# Altium PCB DI543.PcbDoc (part 8 of 8)
Units mil, origin at the board's own origin, x right, y up, seen from the top; angles counter-clockwise.
Board outline 8666.42 x 9192.01 mil, 4 copper layers (Top Layer, Mid-Layer 1, Mid-Layer 2, Bottom Layer), stack 35.6 mil thick; 694 components, 500 nets, 2441 pads, 1661 vias.
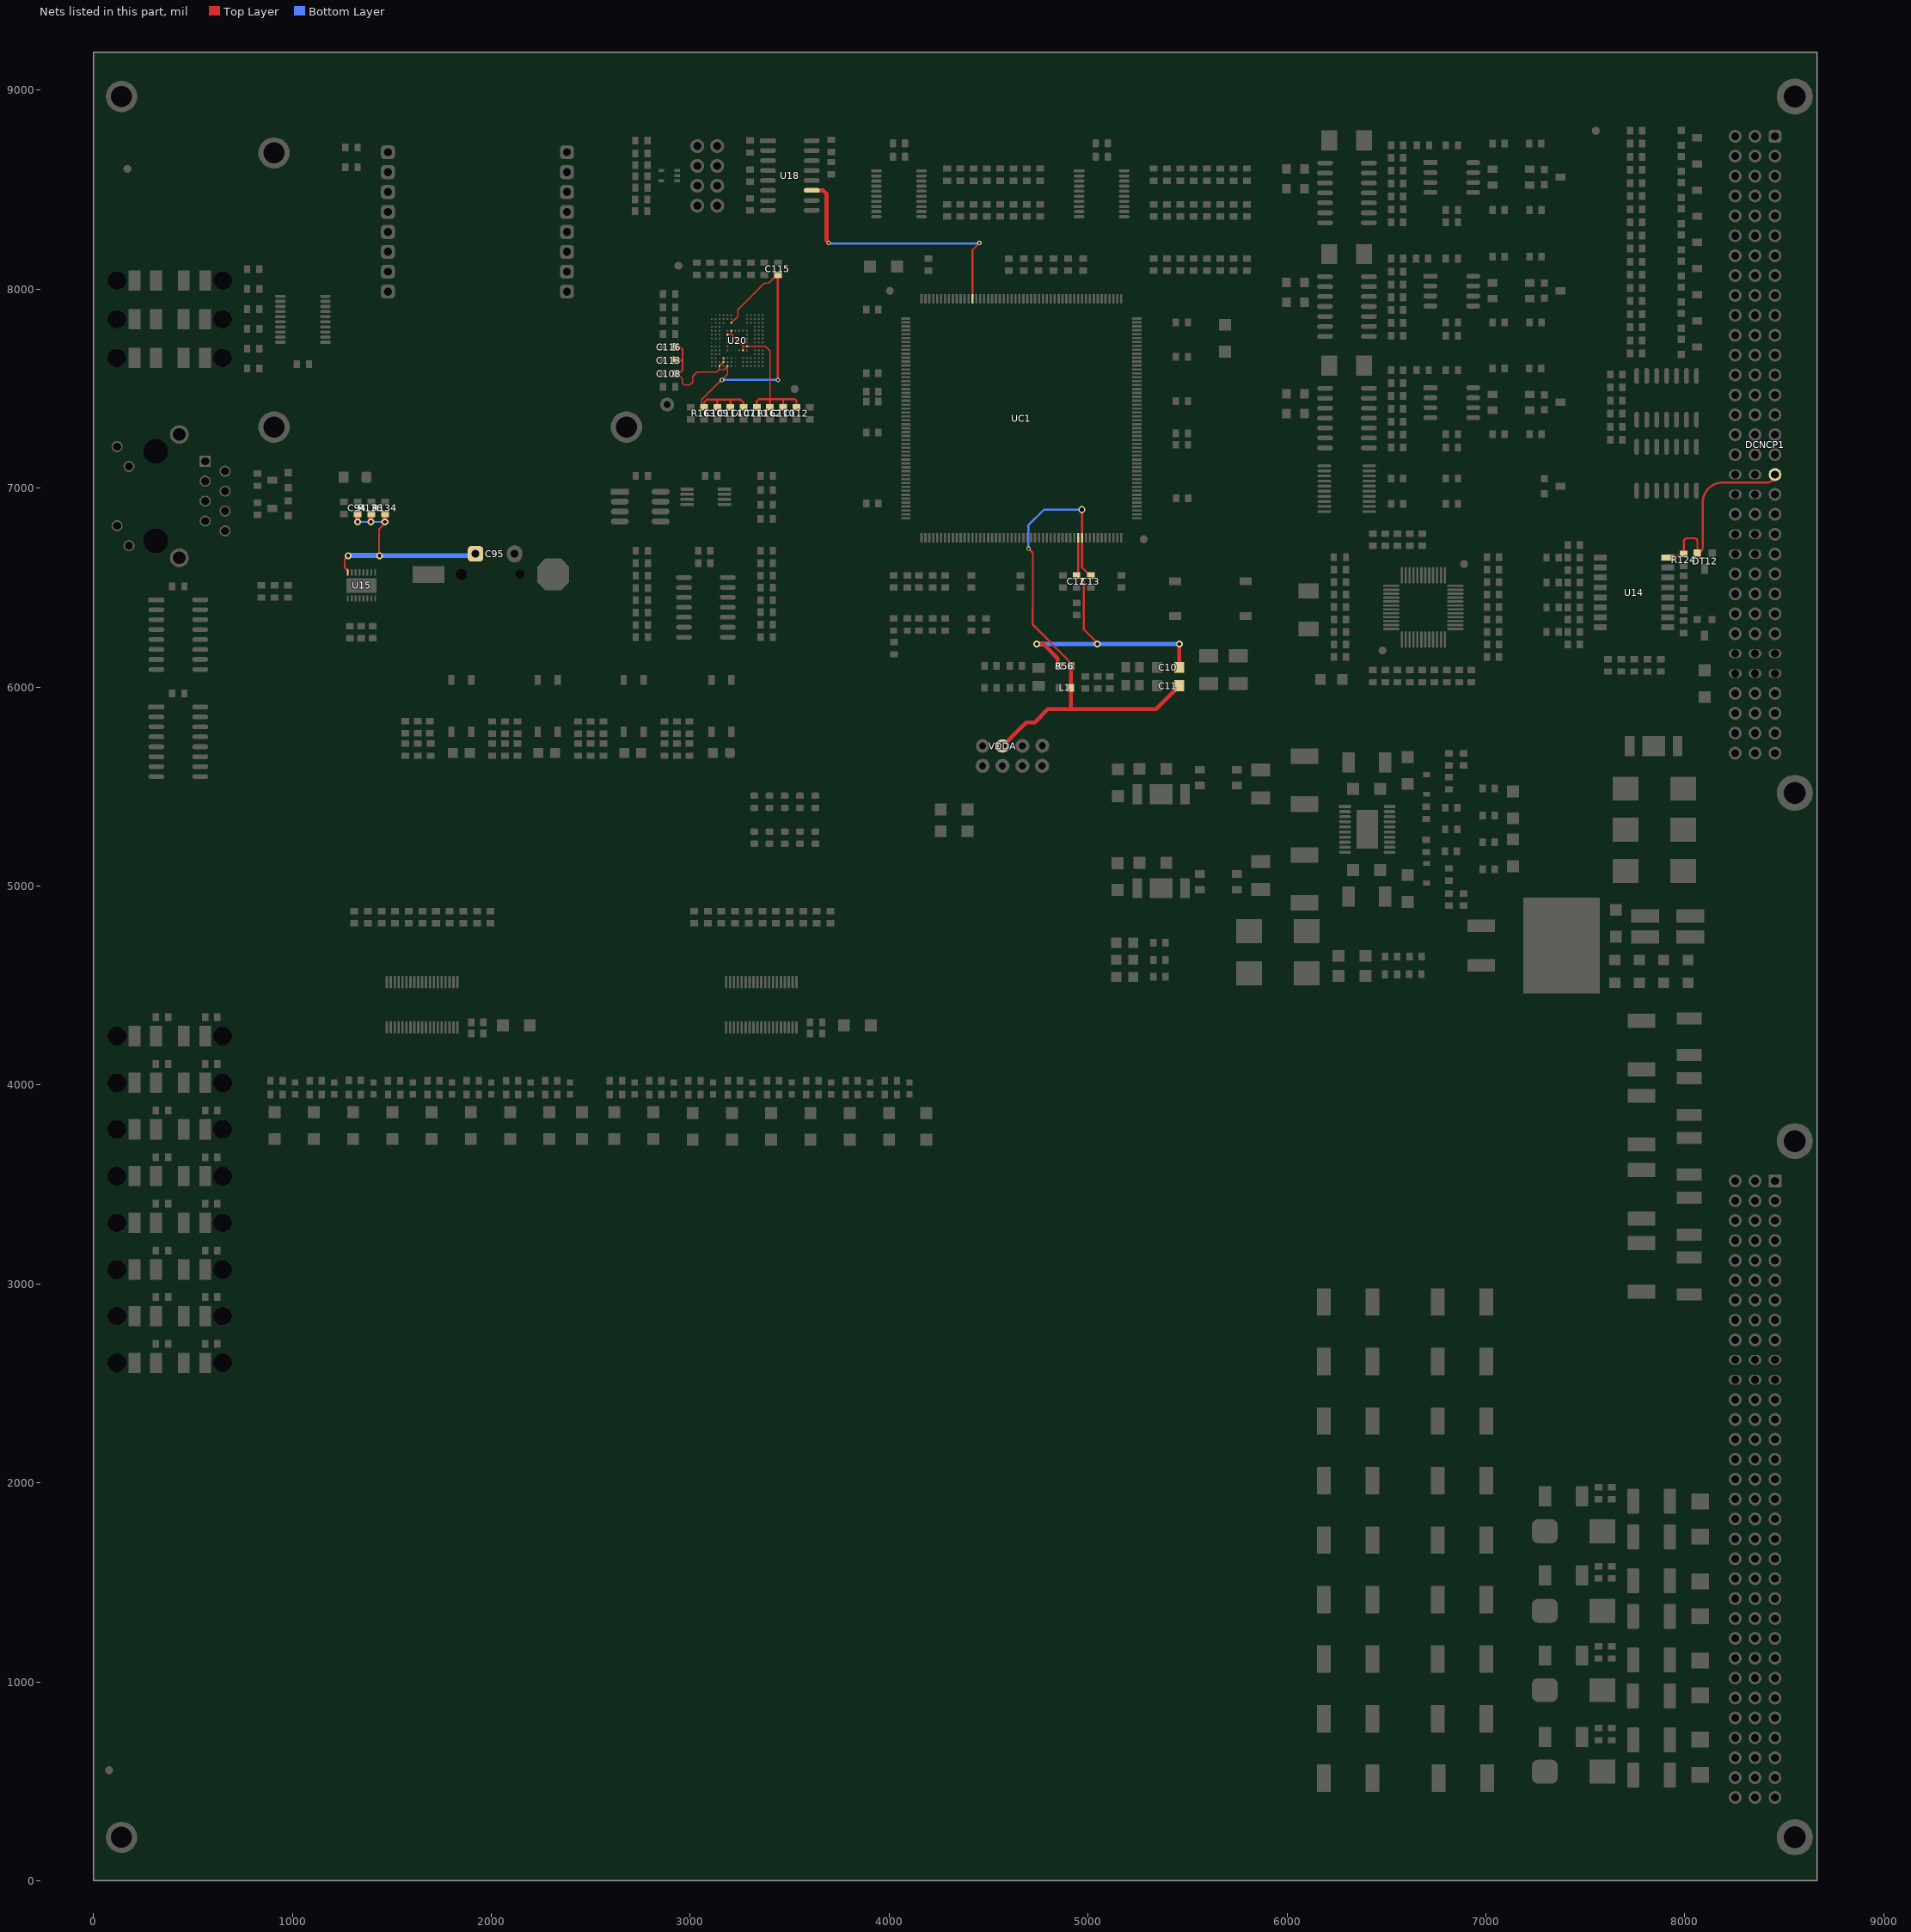
[diagram p10: the nets of this part, all layers, seen from the top]

## Via types
v1: diameter 35, hole 18, Top Layer to Bottom Layer, tented both sides, 586 vias
v2: diameter 32, hole 18, Top Layer to Bottom Layer, tented both sides, 474 vias
v3: diameter 22, hole 12, Top Layer to Bottom Layer, tented both sides, 354 vias
v4: diameter 24, hole 12, Top Layer to Bottom Layer, tented both sides, 80 vias
v5: diameter 38, hole 18, Top Layer to Bottom Layer, tented both sides, 57 vias
v6: diameter 20, hole 12, Top Layer to Bottom Layer, tented both sides, 51 vias
v7: diameter 62.99, hole 31.5, Top Layer to Bottom Layer, tented both sides, 49 vias
v8: diameter 35, hole 19, Top Layer to Bottom Layer, tented both sides, 4 vias
v9: diameter 21, hole 12, Top Layer to Bottom Layer, tented both sides, 3 vias
v10: diameter 35, hole 12, Top Layer to Bottom Layer, tented both sides, 1 vias
v11: diameter 22.01, hole 12, Top Layer to Bottom Layer, tented both sides, 1 vias
v12: diameter 35, hole 22, Top Layer to Bottom Layer, tented both sides, 1 vias

## Nets (pads, with @x,y where several pads share a name; then routed paths per layer and width w, separated by ;. In a path a pad name is that pad's centre, name@x,y a point inside that pad or via, vN(x,y) a via of type N, cw(c..) or ccw(c..) an arc to the next point about the centre after c; other vN are vias at no path point) (continued)
TDB_P: DCNCP1.A18 DT12.2 R124.1 U14.16 | length 1010.2
  Top Layer w10: U14.16@7914.46,6650.84 7922.09,6658.46 7980.52,6658.46 7991.55,6669.49 R124.1@7995.05,6669.49 7995.05,6732.25 cw(c8010.83,6732.25) 8010.83,6748.03 8048.23,6748.03 cw(c8048.23,6732.28) 8063.98,6732.28 8063.98,6674.59 cw(c8062.89,6674.59) DT12.2@8063.41,6673.63 ; DT12.2@8062.89,6673.5 ccw(c8062.89,6674.59) DT12.2@8063.41,6673.63 ; DCNCP1.A18@8453.78,7068.5 cw(c8413.28,7068.5) 8413.28,7028 8191,7028 ccw(c8191,6927.25) 8090.25,6927.25 8090.25,6700.86 cw(c8062.89,6700.86) 8075.89,6676.79 8064.17,6673.83 DT12.2@8063.41,6673.63
TX: U18.11 UC1.143 | length 1388
  Top Layer w10: UC1.143@4419.13,7951.13 4419.13,8197.13 v3(4454,8232)
  Top Layer w20: U18.11@3611.19,8496.51 3668.5,8496.51 3685.48,8479.53 3685.48,8244.41 3696.68,8233.21 v3(3696.68,8232.67)
  Bottom Layer w10: v3(3696.68,8232.67) v3@3698.98,8230.37 ; v3@3697.83,8229.85 4452.84,8229.85 v3@4454,8231.02
V_Bat: C94.2 C95.1 R134.1 R136.1 U15.16 | length 1184.5
  Top Layer w10: U15.16@1278.91,6575.75 1278.91,6586.75 1263.78,6601.89 1263.78,6642.08 1280.51,6658.81 v1(1280.51,6660.43) ; C94.2@1327.77,6870.16 C94.2@1329.4,6868.52 ; R136.1@1395.67,6869.18 R136.1@1396.65,6870.16 ; v1@1438.98,6662.4 1436.02,6665.35 1436.02,6794.43 1465.57,6823.98 v1(1465.57,6830.71) ; R134.1@1455.58,6869.15 R134.1@1465.57,6859.16
  Top Layer w20: C94.2@1327.76,6866.88 C94.2@1329.4,6868.52
  Top Layer w25: v1(1327.76,6830.71) C94.2@1327.76,6866.88 ; v1(1395.67,6830.71) R136.1@1395.67,6869.18 ; v1(1465.57,6830.71) R134.1@1465.57,6859.16
  Bottom Layer w10: v1(1327.76,6830.71) v1(1395.67,6830.71) v1(1465.57,6830.71)
  Bottom Layer w25: v1(1280.51,6660.43) 1282.11,6662.03 v1@1438.6,6662.03 ; v1(1438.98,6660.43) C95.1@1924,6660.43
VCC: C110.2 C111.2 C112.2 R162.2 U20.E6 U20.F5 U20.J10 U20.K9 | length 875.3
  Top Layer w5.91: U20.F5@3187.29,7771.65 3205.94,7771.65 3206.97,7772.68 ; U20.E6@3206.97,7791.34 3206.97,7772.68 ; U20.K9@3266.03,7692.91 3266.03,7711.57 3267.06,7712.6 ; 3401.45,7446.85 3401.45,7688.55 3377.4,7712.6 U20.J10@3285.71,7712.6 3267.06,7712.6 ; 3206.97,7772.68 3267.06,7712.6
  Top Layer w10: C111.2@3335.12,7406.12 3335.12,7436.5 3345.47,7446.85 3398.62,7446.85 3401.45,7446.85 3526.57,7446.85 3534.11,7439.32 C112.2@3534.11,7406.12 ; 3400.03,7445.44 3401.45,7444.03 R162.2@3401.45,7406.12 ; C110.2@3467.78,7406.12 3467.78,7441.67
VCCQ: C107.2 C108.2 C109.2 C113.2 C114.2 C115.2 C116.2 R163.2 U20.C6 U20.M4 U20.N4 U20.P3 U20.P5 | length 2401.4
  Top Layer w5.91: C108.2@2925.2,7565.95 2944.88,7565.95 2960.63,7550.2 2960.63,7527.56 2970.47,7517.72 2998.03,7517.72 3012.8,7532.48 3012.8,7561.8 3035,7584 3134,7584 3147.31,7597.31 ; R163.2@3058.07,7412.4 3058.07,7444.31 3157.69,7543.92 v3@3158.57,7543.92 ; v3(3159.45,7543.92) v3@3158.57,7543.92 ; U20.M4@3167.6,7653.54 U20.N4@3167.6,7633.86 3147.31,7613.57 3147.31,7597.31 ; U20.P5@3187.29,7614.17 3187.29,7613.48 3182.56,7608.74 3182.56,7607.98 3171.89,7597.31 3147.31,7597.31 ; U20.P5@3188,7611.99 3188,7573.35 v3@3158.57,7543.92 ; U20.C6@3207,7831 3207.27,7831 3239.02,7862.75 3239.02,7897.02 3373,8031 3396.1,8031 C115.2@3439.25,8074.15
  Top Layer w10: C108.2@2925,7575.64 2925.15,7575.79 2944.88,7575.79 2961.61,7592.52 2961.61,7644.69 ; C113.2@2925,7642.27 2959.2,7642.27 2961.61,7644.69 ; C116.2@2925,7708.9 2949.57,7708.9 2961.61,7696.85 2961.61,7644.69 ; R163.2@3069.8,7406.12 3069.8,7431.02 3083.78,7445 3136.81,7445 ; C109.2@3136.13,7406.12 3136.13,7444.32 3136.81,7445 ; C114.2@3202.46,7406.12 3202.46,7443.72 3203.74,7445 ; C107.2@3268.79,7406.12 3267.72,7407.2 3267.72,7431.1 3253.82,7445 3203.74,7445 ; v3(3441,7543.88) C115.2@3441,8072.4 ; 3136.81,7445 3203.74,7445
  Bottom Layer w10: v3(3159.45,7543.92) v3(3441,7543.88) v3(3441,7543.88)
VDDA: C11.1 C13.2 L1.2 R56.2 UC1.42 VDDA.1 | length 2681.2
  Top Layer w10: v11(4701.04,6695.75) 4701.25,6695.75 4722.59,6674.41 4722.59,6396.66 4722.44,6396.51 4722.44,6313.98 4903.74,6132.68 4903.74,6116.6 R56.2@4914.05,6106.29 ; v12(4969.49,6891.73) 4969.9,6891.32 4969.9,6750.75 UC1.42@4970.31,6750.34 4970.31,6600.96 5010.27,6561 C13.2@5013.77,6561
  Top Layer w20: VDDA.1@4570.32,5704.24 4689.09,5823 4732,5823 4798,5889 4914.05,5889 ; R56.2@4914.05,6106.29 L1.2@4914.05,5996.29 4914.05,5889 ; C11.1@5458.73,6006.59 5458.73,6004.62 5443.14,5989.03 5441.17,5989.03 5341.14,5889 4914.05,5889
  Bottom Layer w10: v11(4701.04,6695.75) 4699.67,6697.11 4699.67,6812.67 4778.73,6891.73 v12(4969.49,6891.73)
VREF+: C10.1 C12.2 R56.1 UC1.41 | length 1611.6
  Top Layer w10: C12.2@4942.89,6561 4950.62,6568.74 UC1.41@4950.62,6750.34 ; C12.2@4946.39,6561 4979,6528.39 4979,6290.69 v1@5047.24,6222.44
  Top Layer w20: v1(4742.13,6216.54) 4775.59,6216.54 4847.05,6145.07 4847.05,6108.79 4853.05,6102.79 4847.05,6096.79 R56.1@4843.55,6096.79 ; C10.1@5458.73,6098.98 5458.87,6099.11 5458.87,6222.37 v1@5459,6222.5
  Bottom Layer w20: v1(4742.13,6216.54) 5037.28,6216.54 5043.19,6222.44 5047.24,6222.44 v1@5048.69,6221 ; v1(5047.24,6216.54) 5448.98,6216.54 5454.94,6222.5 v1@5459,6222.5
  other v1: 5459,6216.54
pads on no net: BT1. CN1. CN1.7 DCNCF1.33 DCNCF1.34 DCNCF1.A9 DCNCF1.A10 DCNCF1.A11 DCNCF1.A12 DCNCF1.A13 DCNCF1.A14 DCNCF1.A15 DCNCF1.A16 DCNCF1.A18 DCNCF1.A19 DCNCF1.A22 DCNCF1.A23 DCNCF1.B9 DCNCF1.B10 DCNCF1.B11 DCNCF1.B12 DCNCF1.B13 DCNCF1.B14 DCNCF1.B15 DCNCF1.B16 DCNCF1.B18 DCNCF1.B19 DCNCF1.B22 DCNCF1.B23 DCNCF1.C9 DCNCF1.C10 DCNCF1.C11 DCNCF1.C12 DCNCF1.C13 DCNCF1.C14 DCNCF1.C15 DCNCF1.C16 DCNCF1.C17 DCNCF1.C18 DCNCF1.C19 DCNCF1.C20 DCNCF1.C21 DCNCF1.C22 DCNCF1.C23 DCNCF1.C24 DCNCP1.33 DCNCP1.34 DCNCP1.A7 DCNCP1.A8 DCNCP1.A9 DCNCP1.A17 DCNCP1.A20 DCNCP1.A23 DCNCP1.A24 DCNCP1.A25 DCNCP1.A26 DCNCP1.A27 DCNCP1.A28 DCNCP1.A29 DCNCP1.A30 DCNCP1.A31 DCNCP1.A32 DCNCP1.B7 DCNCP1.B8 DCNCP1.B9 DCNCP1.B15 DCNCP1.B16 DCNCP1.B17 DCNCP1.B18 DCNCP1.B19 DCNCP1.B20 DCNCP1.B21 DCNCP1.B22 DCNCP1.B23 DCNCP1.B24 DCNCP1.B25 DCNCP1.B26 DCNCP1.B27 DCNCP1.B28 DCNCP1.B29 DCNCP1.B30 DCNCP1.B31 DCNCP1.B32 DCNCP1.C1 DCNCP1.C2 DCNCP1.C8 DCNCP1.C9 DCNCP1.C15 DCNCP1.C16 DCNCP1.C17 DCNCP1.C18 DCNCP1.C19 DCNCP1.C20 DCNCP1.C21 DCNCP1.C22 DCNCP1.C23 DCNCP1.C24 DCNCP1.C25 DCNCP1.C26 DCNCP1.C27 DCNCP1.C28 DCNCP1.C29 DCNCP1.C30 DCNCP1.C31 DCNCP1.C32 J1.0 J1.A1 J1.A2 J1.K1 J1.K2 J2.0 J2.A1 J2.A2 J2.K1 J2.K2 J3.0 J3.A1 J3.A2 J3.K1 J3.K2 J4.0 J4.A1 J4.A2 J4.K1 J4.K2 J5.0 J5.A1 J5.A2 J5.K1 J5.K2 J6.0 J6.A1 J6.A2 J6.K1 J6.K2 J7.0 J7.A1 J7.A2 J7.K1 J7.K2 J8.0 J8.A1 J8.A2 J8.K1 J8.K2 J_1.0 J_1.A1 J_1.A2 J_1.K1 J_1.K2 J_2.0 J_2.A1 J_2.A2 J_2.K1 J_2.K2 J_3.0 J_3.A1 J_3.A2 J_3.K1 J_3.K2 U2.3 U2.4 U2.5 U2.6 U2.8 U2.9 U2.10 U2.11 U2.12 U2.13 U3.1 U3.2 U3.7 U3.14 U6.1 U6.2 U6.3 U6.4 U7.3 U7.8 U7.9 U9.3 U9.8 U9.9 U11.3 U11.8 U11.9 U13.8 U13.9 U13.10 U13.11 U13.12 U13.25 U14.4 U14.5 U14.12 U14.13 U15.5 U15.6 U15.8 U15.9 U15.10 U15.11 U16.3 U17.3 U18.7 U18.8 U18.9 U18.10 U19.7 U19.8 U19.9 U19.12 U19.13 U19.14 U20.A1 U20.A2 U20.A10 U20.A11 U20.A12 U20.A13 U20.A14 U20.B1 U20.B10 U20.B11 U20.B12 U20.B13 U20.B14 U20.C1 U20.C3 U20.C10 U20.C11 U20.C12 U20.C13 U20.C14 U20.D1 U20.D2 U20.D3 U20.D4 U20.D12 U20.D13 U20.D14 U20.E1 U20.E2 U20.E3 U20.E5 U20.E8 U20.E9 U20.E10 U20.E12 U20.E13 U20.E14 U20.F1 U20.F2 U20.F3 U20.F10 U20.F12 U20.F13 U20.F14 U20.G1 U20.G2 U20.G3 U20.G10 U20.G12 U20.G13 U20.G14 U20.H1 U20.H2 U20.H3 U20.H12 U20.H13 U20.H14 U20.J1 U20.J2 U20.J3 U20.J12 U20.J13 U20.J14 U20.K1 U20.K2 U20.K3 U20.K6 U20.K7 U20.K10 U20.K12 U20.K13 U20.K14 U20.L1 U20.L2 U20.L3 U20.L12 U20.L13 U20.L14 U20.M1 U20.M2 U20.M3 U20.M7 U20.M8 U20.M9 U20.M10 U20.M11 U20.M12 U20.M13 U20.M14 U20.N1 U20.N3 U20.N6 U20.N7 U20.N8 U20.N9 U20.N10 U20.N11 U20.N12 U20.N13 U20.N14 U20.P1 U20.P2 U20.P7 U20.P8 U20.P9 U20.P10 U20.P11 U20.P12 U20.P13 U20.P14 U24.9 U27.20 U27.22 U28.20 U28.22 UC1.2 UC1.3 UC1.7 UC1.8 UC1.11 UC1.13 UC1.19 UC1.20 UC1.21 UC1.49 UC1.70 UC1.78 UC1.85 UC1.89 UC1.108 UC1.109 UC1.110 UC1.120 UC1.121 UC1.123 UC1.124 UC1.126 UC1.127 UC1.129 UC1.130 UC1.131 UC1.132 UC1.133 UC1.151 UC1.152 UC1.153 UC1.154 UC1.155 UC1.156 UC1.157 UC1.160 UC1.168 UC1.178 UC1.179 UC1.181 UC1.186 UC1.187 UC1.191 UC1.200 UC1.201 UC1.205 UC1.207 UC1.208 Y1.1 Y2.1 Y3.1

## Polygon pours and split planes (outlines as drawn)
+20V on Bottom Layer "NONET_L-01_P-001" (solid, pour order 65): 6244,5125 cw(c6244,5148) 6221,5148 6221,5432 cw(c6242,5432) 6242,5453 6505,5453 cw(c6505,5428) 6530,5428 6530,5326 ccw(c6552,5326) 6552,5304 6671,5304 cw(c6671,5287) 6688,5287 6688,5258 cw(c6678,5258) 6678,5248 6553,5248 ccw(c6553,5225) 6530,5225 6530,5158 cw(c6497,5158) 6497,5125
NetC52_1 on Bottom Layer "NONET_L-01_P-001" (solid, pour order 62): 6713,4803 7005,4803 ccw(c7005,4877) 7079,4877 7079,4988 cw(c7134,4988) 7134,5043 7199,5043 ccw(c7199,5119) 7275,5119 7275,5480 cw(c7311,5480) 7311,5516 7604,5516 8074.99,5516 cw(c8074.99,5453.98) 8137.01,5453.99 8137.17,4790.06 cw(c8089.9,4790.05) 8089.68,4742.77 7756.35,4744.24 ccw(c7756.1,4689.13) 7701,4689.13 7701,4525 cw(c7645,4525) 7645,4469 6728,4469 cw(c6728,4513) 6684,4513 6684,4774 cw(c6713,4774)
RET24 on Bottom Layer "NONET_L-01_P-001" (solid, pour order 61): 7172,5662 cw(c7189,5662) 7189,5679 8113,5679 cw(c8113,5661) 8131,5661 8131,5564 cw(c8113,5564) 8113,5546 7189,5546 cw(c7189,5563) 7172,5563
RET24 on Bottom Layer "NONET_L-01_P-001" (solid, pour order 59): 6511,4959 6511,4545 cw(c6487,4545) 6487,4521 6222.83,4521 ccw(c6222.82,4509.36) 6214.59,4517.59 6209.12,4512.12 cw(c6201.59,4519.65) 6201.59,4509 5895,4509 cw(c5895,4528) 5876,4528 5876,4573 cw(c5898,4573) 5898,4595 6202,4595 ccw(c6202,4623) 6230,4623 6230,4950 cw(c6277,4950) 6277,4997 6473,4997 cw(c6473,4959)
GND_EARTH on Bottom Layer "BottomLayer-No Net" (solid, remove dead copper, pour order 29): 8548,15 15,15 15,472 568,472 693,347 740,300 8423,300 8517,394 8517,1316.01 8651,1316.01 8651,118
GND_EARTH on Bottom Layer "GND" (solid, remove dead copper, pour order 16): 8651,7860 8610,7901 8248.58,7901 ccw(c8248.57,7880.3) 8233.93,7894.93 8226.76,7887.76 ccw(c8243.07,7871.45) 8220,7871.44 8220,7468.67 ccw(c8250.59,7468.67) 8228.96,7447.04 8232.57,7443.43 ccw(c8250.51,7461.36) 8250.51,7436 8515,7436 8515,5649.07 cw(c8490.7,5649.07) 8507.88,5631.88 8439.02,5563.02 ccw(c8489.76,5512.28) 8418,5512.27 8418,5103 8517,5004 8517,394 8471,348 7753.59,348 7752.59,347.59 7701,296 7701,20.39 8547.12,20.39 8651.2,124.47
GND_EARTH on Bottom Layer "GND" (solid, remove dead copper, pour order 17): 8465,5179.99 8228.03,4943.05 ccw(c8283.62,4887.46) 8205.01,4887.46 8204.99,4280.06 cw(c8173.49,4280.05) 8195.76,4257.77 cw(c8164.95,4288.58) 8164.94,4245 7976,4245 7958,4227 7958,3720.01 8190.73,3720.01 cw(c8190.74,3685.6) 8215.08,3709.93 8334.23,3590.77 ccw(c8365.07,3621.61) 8365.07,3578 8504,3578 cw(c8504,3565) 8517,3565 8517,3425 8645.42,3425 8645.42,3573 8645.43,3949.57 ccw(c8626.11,3949.57) 8626.11,3968.89 8290.11,3968.89 cw(c8290.11,3975.07) 8283.93,3975.07 8283.93,4808.09 cw(c8312.83,4808.09) 8312.84,4837 8627,4837 ccw(c8627,4855.42) 8645.42,4855.42 8645.42,5169.59 8634.96,5180.05
GND_EARTH on Bottom Layer "VCC-No Net" (solid, pour order 22): 38.97,8721.03 289.17,8721.03 ccw(c289.17,8785.85) 335.01,8740.01 357.93,8762.94 ccw(c316.74,8804.14) 375,8804.14 375,8860 cw(c390.01,8860) 390.01,8875.01 8435.15,8875.01 cw(c8435.16,8853.68) 8450.24,8868.76 8509.88,8809.12 cw(c8497.53,8796.77) 8515,8796.76 8515,7901 8240,7901 8220,7881 8220,7456 8240,7436 8651,7436 8651,9027.2 ccw(c8557.34,9027.2) 8623.56,9093.43 8562.49,9154.51 ccw(c8520.28,9112.31) 8520.27,9172 44,9172 ccw(c44,9148) 20,9148 20,8740 ccw(c38.97,8740)
+3.3V on Mid-Layer 2 "+3.3V_L03_P034" (solid, remove dead copper, pour order 34): 66,6094 66,8604 cw(c133.71,8604) 133.71,8671.71 283.98,8671.71 ccw(c283.98,8767.61) 351.8,8699.8 458.06,8806.06 cw(c537.57,8726.55) 537.59,8839 8100,8839 cw(c8100,8776.01) 8162.92,8772.93 8163,5962 cw(c8007,5961.99) 8007,5806 5369.03,5806 ccw(c5369.03,5649.4) 5212.43,5649.48 5211.95,4587.98 cw(c5079.39,4588.04) 5079.5,4455.49 4512,4455 cw(c4512,4588.55) 4378.45,4588.55 4378.45,5805.28 ccw(c4269.22,5805.3) 4346.44,5882.56 4298.8,5930.2 ccw(c4230.12,5861.56) 4230.09,5958.66 201.34,5958.66 cw(c201.33,6093.99)
GND_EARTH on Mid-Layer 2 "VCC-No Net" (solid, remove dead copper, pour order 56): 20,39 20,463 cw(c29,463) 29,472 564.59,472 cw(c564.59,463.74) 570.43,469.58 733.19,306.82 ccw(c749.66,323.29) 749.66,300 7699.59,300 ccw(c7699.59,313.05) 7708.81,303.82 7754.99,350 8466.17,350 ccw(c8466.17,366.49) 8477.83,354.83 8511.88,388.88 ccw(c8499.52,401.24) 8517,401.24 8517,3565 ccw(c8504,3565) 8504,3578 8353.83,3578 cw(c8353.83,3594.48) 8342.17,3582.83 8231.31,3693.69 cw(c8294.84,3757.21) 8205,3757.21 8205,4897.1 cw(c8255.45,4897.1) 8219.78,4932.78 8412.88,5125.88 ccw(c8400.52,5138.24) 8418,5138.24 8418,5529.34 cw(c8448.56,5529.34) 8426.95,5550.95 8507.46,5631.46 ccw(c8489.28,5649.65) 8515,5649.66 8515,7550 8646,7550 8646,4845.94 cw(c8637.2,4845.94) 8637.13,4837.14 8314.91,4839.75 ccw(c8314.66,4809.09) 8284,4809.09 8284,3973 ccw(c8289,3973) 8289,3968 8631,3968 cw(c8631,3953) 8646,3953 8646,136.49 cw(c8606.21,136.48) 8634.34,108.34 8562.9,36.9 cw(c8522.1,77.69) 8522.1,20 39,20 cw(c39,39)
+3.3V on Mid-Layer 2 "NONET_L-01_P-001" (solid, pour order 38): 738.19,6197 738.19,681.19 cw(c561.94,681.17) 561.92,504.92 286.08,504.92 cw(c286.08,725.05) 65.95,725.05 65.95,2397.95 65.95,6197
+3.3V-F on Mid-Layer 2 "NONET_L-01_P-001" (solid, pour order 43): 1367.45,5453 3207,5453 3210.13,5456.14 3844.82,5454.27 cw(c3844.61,5383.88) 3915,5383.88 3915,4529 cw(c3846,4529) 3846,4460 1377.28,4460 cw(c1377.28,4566.9) 1301.69,4491.31 1260.09,4532.91 cw(c1349.65,4622.46) 1223,4622.46 1223,5306.44 cw(c1328.15,5306.44) 1253.8,5380.8 1296.69,5423.69 cw(c1367.45,5352.93)
RET24F-1 on Mid-Layer 2 "NONET_L-01_P-001" (solid, pour order 48): 5982,4355 7387.95,4355 cw(c7387.95,4291.91) 7451.04,4292.01 7452.88,3163.92 cw(c7386.75,3163.82) 7386.72,3097.69 6050.17,3098.16 ccw(c6050.15,3030.01) 5982,3030.01 5982,473 cw(c5852,473) 5852,343 947,343 cw(c947,443) 847,443 847,4236 cw(c966,4236) 966,4355
RET24F-1 on Mid-Layer 2 "NONET_L-01_P-001" (solid, pour order 52): 847,4236 847,5750 cw(c947,5750) 947,5850 3357,5850 cw(c3357,5818) 3389,5818 cw(c3352.79,5818) 3378.39,5792.39 3173.21,5587.21 cw(c3122,5638.42) 3122,5566 1302.11,5566 ccw(c1302.11,5490.89) 1249,5544 1127.8,5422.8 ccw(c1175.6,5375) 1108,5375 1108,4562.42 ccw(c1208,4562.42) 1137.29,4491.71 1259.79,4369.21 ccw(c1311,4420.43) 1311,4348 1311,4251 1296,4236
GND_EARTH on Mid-Layer 2 "VCC-No Net" (solid, remove dead copper, pour order 21): 5,8721 316,8721 375,8780 375,8875.01 8443.99,8875.01 8515,8804 8515,7900 8239,7900 8220,7881 8220,7456 8240,7436 8661.42,7436 8661.42,9065.3 8650,9076.72 8541.71,9185.01 5,9185.01
RET24 on Top Layer "NONET_L-01_P-001" (solid, pour order 58): 6358,5415 6389,5415 ccw(c6389,5432) 6406,5432 6406,5816 7125,5816 cw(c7125,5685) 7256,5685 7256,5182 cw(c7177.01,5181.99) 7177,5103 7074,5103 ccw(c7073.99,5059.01) 7030,5059 7030,4903 cw(c6996.01,4902.99) 6996,4869 6433,4869 cw(c6433,4901) 6401,4901 6401,5105 ccw(c6380.01,5105.01) 6380,5126 6357,5126 cw(c6357,5141) 6342,5141 6342,5399 cw(c6358,5399)
GND on Top Layer "NONET_L-01_P-001" (solid, pour order 64): 5364,5561 5364,5711 cw(c5385,5711) 5385,5732 5564,5732 cw(c5564,5717) 5579,5717 5579,5591 cw(c5554,5591) 5554,5566 5407,5566 ccw(c5407,5563) 5404,5563 cw(c5402,5563) 5402,5561
+3.3V on Top Layer "NONET_L-01_P-001" (solid, pour order 63): 5180,5481 5180,5295.07 cw(c5162.93,5295.07) 5175,5283 cw(c5167.76,5290.24) 5167.76,5280 5096,5280 cw(c5096,5294) 5082,5294 5082,5466 cw(c5097,5466) 5097,5481
NetC52_1 on Top Layer "NONET_L-01_P-001" (solid, pour order 60): 7185,5043 7198,5043 ccw(c7198,5120) 7275,5120 7275,6107 cw(c7315,6107) 7315,6147 7532,6147 cw(c7532,6112) 7567,6112 7567,5945 ccw(c7600,5945) 7600,5912 cw(c7600.01,5867.01) 7645,5867 7645,5648 cw(c7630.01,5647.99) 7630,5633 ccw(c7630,5607) 7604,5607 7604,4499 cw(c7565,4499) 7565,4460 7118,4460 7118,4976 cw(c7185,4976)